# Allegro board A527_draft_V1_0.brd (continued)
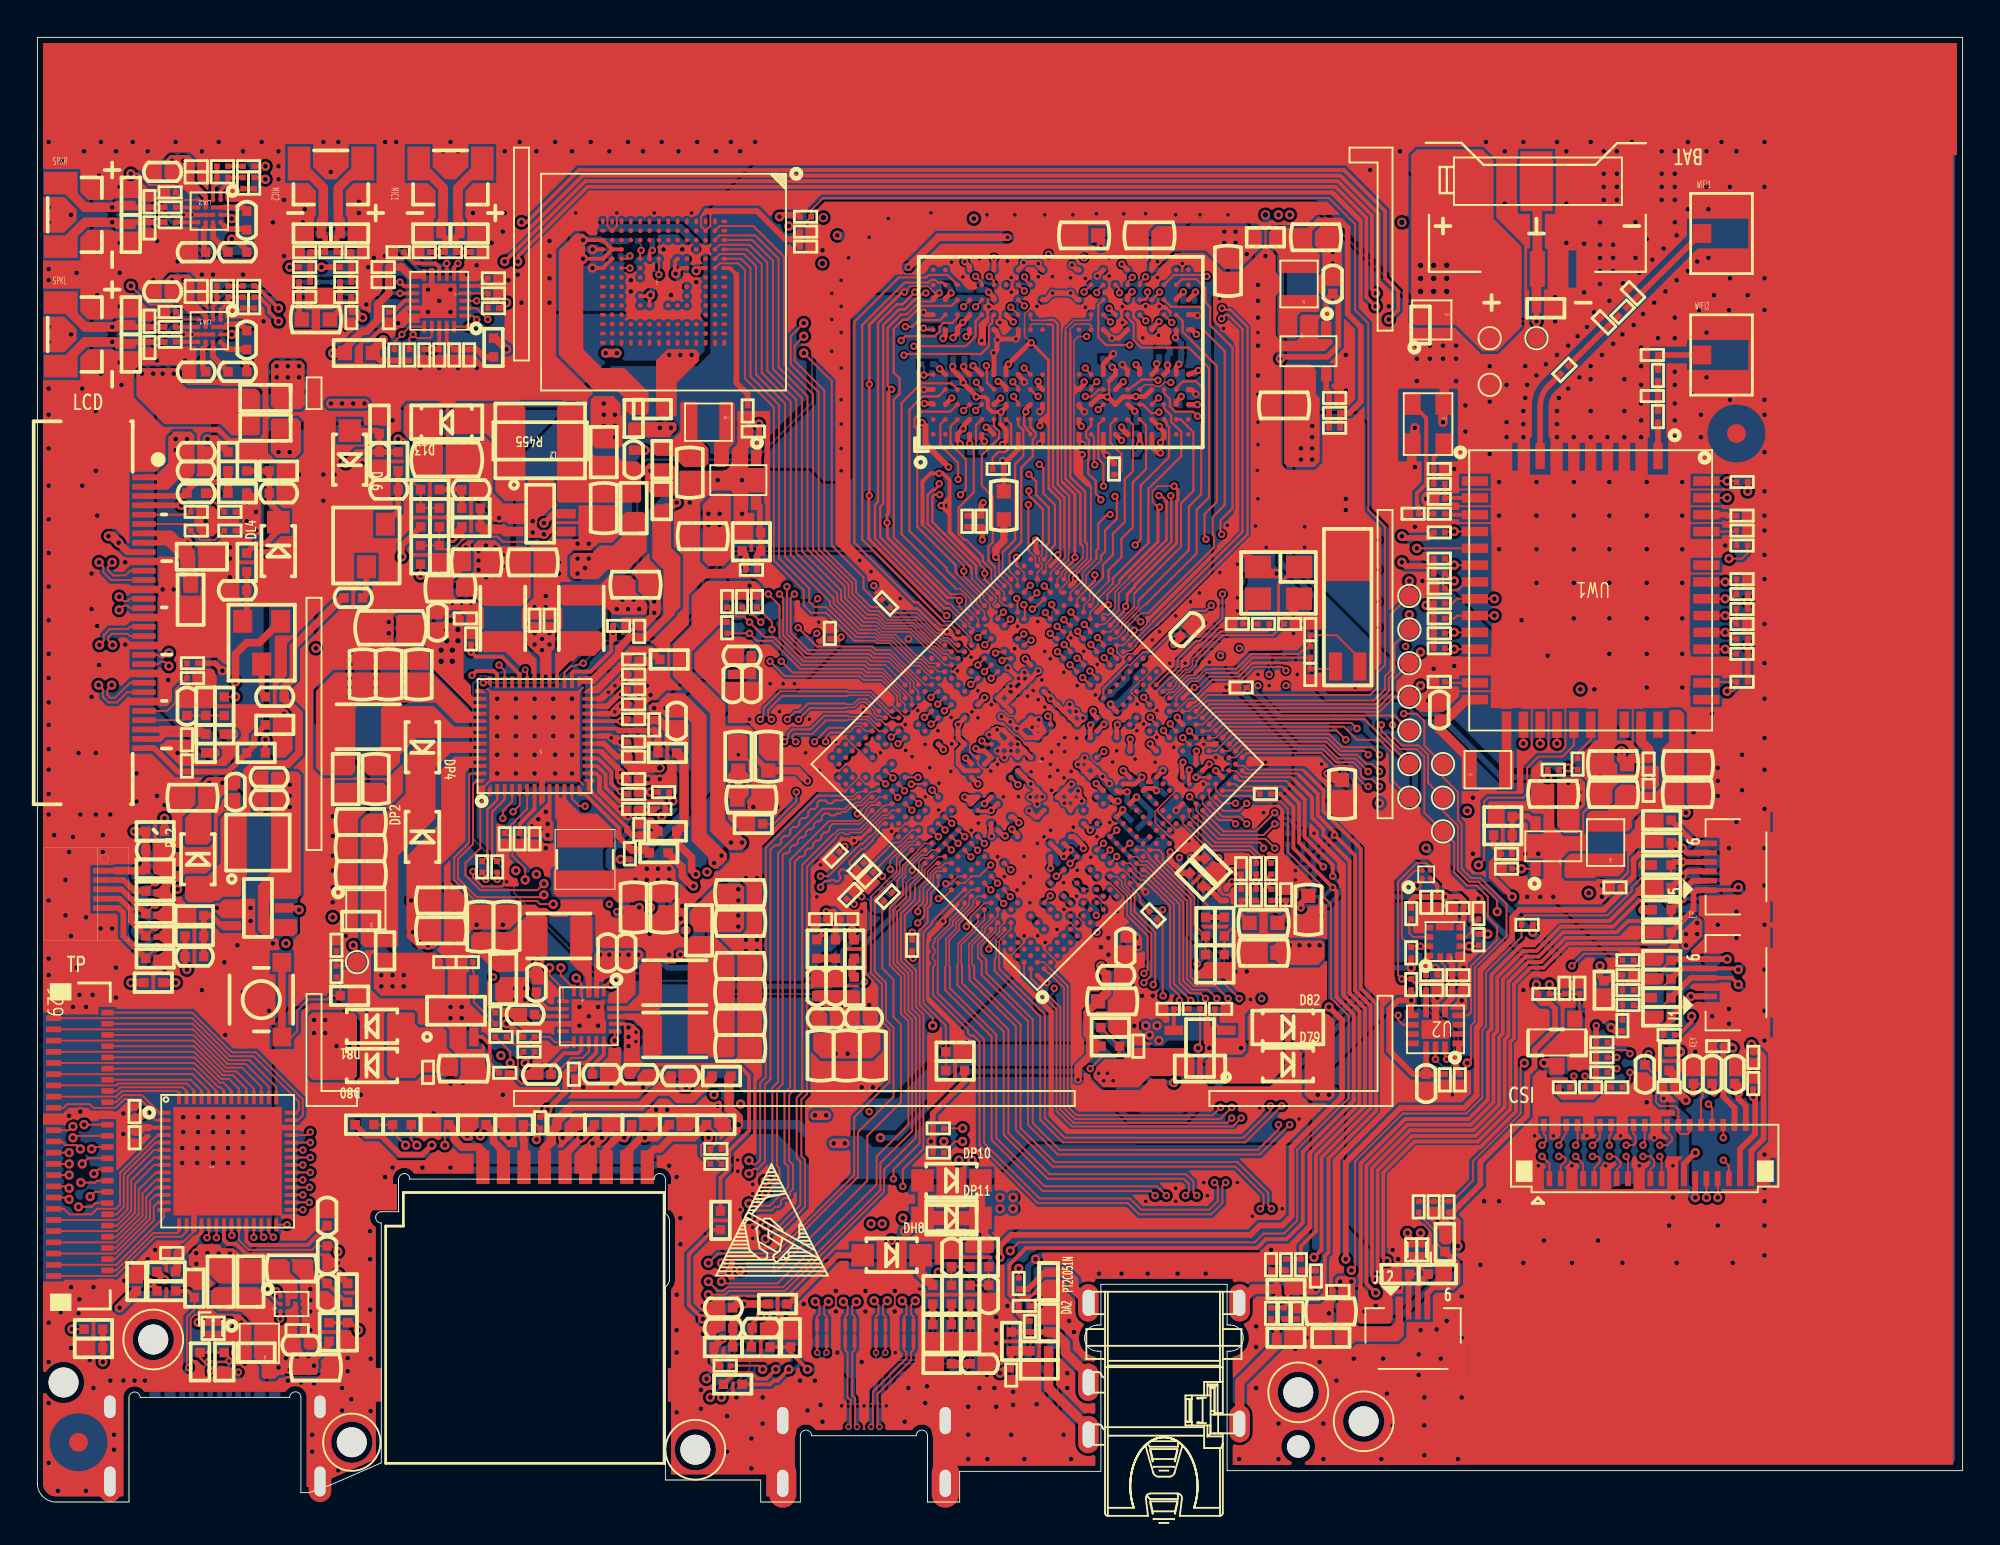
[diagram p0: board, top side]
## Routing (per net, layer and track width the routed paths; a pad name or vN(x,y) marks a point on that pad's centre or on a via; arc(x,y) is an arc through that point) (continued)
  TOP w0.381: CD1.2 51.7,51.45 51.28,51.03 v1(51.28,50.58)
  TOP w0.4: UL1.2 v2(11.4,31.8) ; v2(22.93,51.1) 22.78,50.95 22.78,50.33 CP3.2 ; DH3.1 40.3,9.7 v2(40.04,9.96) ; v2(2.8,7.6) 2.5,7.9 DU5.1 v2(1.8,8.25) ; DU15.1 74,62.1 v2(73.8,61.9) ; v2(11.1,7.4) 11.4,7.1 11.4,6.93 ; v2(34.2,4.8) 34.46,5.06 JC1.11 34.46,7.34 34.2,7.6 v2(34.2,8) ; v2(37.9,26.5) 37.9,26.85 CP141.2 38.35,26.65 v2(38.5,26.5) ; v2(38.5,29.5) 38.35,29.35 CP144.2 ; RP76.1 v2(17.1,8.1) ; v1(23.2,48.1) v1(22.7,48.1) v1(22.2,48.1) 21.9,48.1 CP22.2 ; v1(62.8,33.4) R46.2 ; v2(31.75,65.4) v2(31.75,64.8) ; v2(14.6,10.8) v2(14.6,11.4) 14.6,12.25 CP66.2 ; v2(14.6,10.8) 15.4,10.8 CL31.2 ; v2(14.6,10.8) v2(14.6,10.2) v2(14.6,9.2) CP65.2 ; CU6.1 69,10.2 v2(69.1,10.1) ; v2(26.5,52.5) 26.1,52.9 UL4.2 24.93,52.9 v2(24.7,52.67) ; DH4.1 v2(51.3,8.5) ; DL9.1 v2(7.3,29.8) ; CP148.2 23.7,31.1 v2(23.5,30.9) ; DU9.1 75.3,14.6 v2(74.9,15) 74.7,15.2 RU8.2 ; CC1.2 34.9,22.4 v2(34.7,22.2) ; CP140.2 37.9,25.25 v2(37.9,25) ; v2(16.5,30.3) 16.8,30.6 DU14.1 ; v2(21.5,49.7) 21.35,49.55 C38.2 ; KP4.4 v2(10,28.89) ; v2(75.08,7.68) J12.8 76,8.6 v2(76.2,8.8) ; CL30.2 17.71,15.8 JC1.12 ; v2(7.9,11.85) 8.3,11.85 DU6.1 ; CP5.2 31.9,30.95 ; 31.9,30.95 32.45,30.4 v2(32.75,30.4) ; 31.9,30.95 31.5,30.55 CP145.2 CP139.2 ; CH2.1 51.8,10.6 v2(51.9,10.5) ; v2(72,7.68) J12.7 v2(70.42,7.68) ; DH7.1 47.9,6.5 v2(47.6,6.2) ; v2(33.8,29.3) 33.5,29.6 33.5,29.8 ; v2(25.2,19.5) 25,19.7 DC6.1 ; C3.2 38.35,33.25 v2(38.5,33.4) ; v2(17.83,4.87) JC1.10 v2(17.83,7.67) ; v2(18.6,17.4) 18.23,17.03 JC1.12 ; CP135.2 26.1,25.6 v2(26.1,25.6) ; v2(48.6,8) 48.9,8.3 DH5.1 ; DL11.1 v2(7.5,33.9) ; C12.2 39.2,37.6 v2(39.6,37.2) ; v2(16.07,12.8) 15.6,12.8 CL27.2 ; JC1.6 29.33,18.83 v2(29.7,19.2) 30,19.5 v2(30.2,19.5) 30.8,20.1 DC3.1 ; v2(7.3,32.1) 6.8,32.6 DL7.1 ; v2(26.8,28.85) 26.8,28.85 26.7,28.75 CP138.2 ; v2(45.87,10.2) DH2.8 DH2.3 45.87,8.03 v1(45.9,8) ; v1(39.2,43.8) 38.7,43.3 C113.2 ; CH1.1 39.25,9.85 v2(39.4,10) ; DU12.1 68.8,8.9 v2(68.8,9.5) ; DC5.1 28.8,20.1 28.2,19.5 v2(28.1,19.5) ; DC1.1 34,21 v2(33.7,21) ; v1(80.3,18) 79.81,18 JV1.40 ; CL25.2 v2(7.5,34.9) ; v2(13.4,6.5) 13.1,6.2 10.5,6.2 10,6.7 DU3.1 ; v2(42.72,10.2) DH1.8 DH1.3 42.72,8.08 v2(42.8,8) ; C11.2 v1(37.5,40) ; v2(75,12.8) 75.4,12.4 DU10.1 ; DL8.1 v2(7.3,31) 7.7,31.4 RL23.1 ; v2(36.4,21.2) 36.4,20.6 DC4.1 ; v2(11.9,37.1) CL11.2 v2(11.9,38.2) CL10.2 ; CL5.1 10.3,37.2 v2(10.1,37.2) ; DP1.2 75.25,61.95 v2(75.2,61.9) ; DA11.1 23.8,67.9 v2(24.3,67.4) ; CP143.2 38.5,24.45 v2(38.5,25) ; CP147.2 25.1,31.1 v2(24.9,30.9) ; v2(6.8,37.3) 7.15,37.3 CL15.2 ; v2(15.8,33.8) 15.55,34.05 JZ1.1 ; v2(34.43,31.23) 34.25,31.05 33.53,31.05 CP6.2 ; v2(35.6,10.5) 35.7,10.4 C98.2 ; DC7.1 v2(23,19.6) ; JL4.7 v2(1.8,30.3) ; C95.2 35.9,9.3 v2(35.6,9) ; DU8.1 11.12,9.38 v2(10.9,9.6) ; DU13.1 v2(10.6,8) ; JL4.8 v2(1.7,34.8) ; v2(10.05,25) 10.16,24.89 KP4.3 ; v2(17.8,14.5) 17.55,14.75 17.55,15.65 18.22,16.32 JC1.12 ; v2(22,32.9) 22.35,32.55 CP4.1 22.35,31.55 v2(22.3,31.5) 22.3,30.65 CP9.1 22.35,29.95 v2(22.3,29.9) ; DL10.1 v2(6.8,28.5) ; v2(62.7,24.3) UU1.2 v2(64.4,24.3) ; v2(5.75,6.5) 5.85,6.4 8.1,6.4 DU2.1 ; DH6.1 v2(47.4,8) ; 15.8,32.7 16.48,32.7 DP6.1 ; DC2.1 32.8,20.7 v2(33.1,21) ; v2(21.2,20.8) 21,20.6 DC8.1 ; C7.2 38.35,30.25 v2(38.5,30.1) ; v1(64.47,50.9) 65.3,50.07 Y1.2
  TOP w0.5: CP50.2 83.55,38.75 v2(83.6,38.8) 83.55,38.85 CW18.2 ; CD28.2 v2(65.3,65.15) 65.7,65.55 v2(65.7,66.7) ; DA18.1 v2(85.9,30.5) ; v2(66.3,49.7) 65.65,49.7 Y1.2 ; JA14.4 81.5,64.8 v2(81.2,64.5) RP3.1 v2(81.2,63.2) ; v2(78.6,59.8) TP3.1 v2(77.7,58.9) ; v2(89.9,37.8) 89.8,37.9 89.2,37.9 ; v2(3.13,40.1) J11.32 v2(3.13,36.8) ; 22.3,28.2 22.3,26.9 v2(22.7,26.5) ; 18.1,46.6 18.2,46.5 v2(18.8,46.5) v2(18.8,47.1) 18.2,47.1 CP68.2 18.1,46.6 ; 18.1,46.6 v2(18.1,45.5) v2(18.1,44.9) ; v2(15.8,35.65) v2(15.8,36.7) 16.25,36.7 CP10.1 v2(15.8,35.65) ; v2(15.8,35.65) v2(15.8,34.6) ; v2(16.6,7.7) 16.15,7.7 CU3.2 15.85,7 v2(16.6,7) ; v2(86.9,71.1) 86.1,71.1 JA14.6 ; CL18.2 18,54.2 17.4,54.8 v2(17.4,55.6) 17.8,55.2 CL20.2 ; v2(23.5,60.7) 22.85,60.05 JZ4.5 ; v2(85.9,35.3) DA14.1 v2(86.4,35.8) R524.2 ; v2(15.8,33.8) 16.35,33.8 CP13.1 ; v2(15.8,33.8) v2(15.8,34.6) ; v2(15.8,33.8) v2(15.8,32.9) v2(15.8,32.1) ; D3.1 v2(85.9,28) ; CP12.1 16.2,35 v2(15.8,34.6) ; D2.1 84.2,26.9 v2(84.3,27) ; DA7.1 v2(4.4,70.4) ; 7.25,48.85 7.25,48.35 8.05,47.55 RL27.2 ; 7.25,48.85 v2(7.3,48.85) ; 7.25,48.85 v2(6.7,48.85) ; R10.2 R8.2 62.6,28.4 v2(63,28.4) 63.4,28.4 R10.2 ; R10.2 64,28.3 v2(64.1,28.4) ; R10.2 63.6,28.4 v2(64.1,28.4) ; v2(18.1,44.9) 17.55,44.9 CP18.1 17.2,44.85 v2(16.75,44.85) v2(16.75,45.45) ; v2(18.1,44.9) 18.65,44.9 CP19.1 19,44.85 v2(19.7,44.85) 20.2,44.85 CP16.1 20.05,45.4 v2(19.7,45.4) ; v2(88,45.4) 88,45.1 88.35,44.75 UW1.39 ; UW1.11 v2(78.6,57) ; v2(75.2,57.8) 75.2,58.73 YW1.2 75.28,59.98 ; v2(86.9,69.7) 86.7,69.7 JA14.6 ; 23,55.9 23.6,56.5 v2(23.6,56.7) ; 23,55.9 v2(23,56.7) ; 23,55.9 CL8.2 ; v2(4.65,11.85) 5.1,12.3 DU16.1 5.3,12.4 v2(5.9,13) ; CP62.1 v2(22.78,22.43) ; v2(91.3,23.5) 91.2,23.4 CV2.2 ; v2(22.7,26.5) v2(22.1,26.5) v2(22.1,25.9) 22.4,25.6 ; v2(22.7,26.5) v2(22.7,25.9) 22.4,25.6 ; 43.35,23.15 43.35,22.95 v2(44.1,22.2) ; 43.35,23.15 C25.2 v2(44.7,22.2) ; 43.35,23.15 C36.2 C32.2 ; CP53.2 34.9,51.75 v2(34.9,53.5) CP56.2 35.25,54.7 v2(36.4,54.7) v2(37.7,54.7) 37.7,55.9 ; v2(88.7,24.1) 88.6,24 CV8.2 88.8,23.4 v2(89.1,23.7) 89.4,23.4 CV9.2 ; RL26.1 v2(21.5,49.7) v2(22.15,49.7) CP3.2 ; JW2.2 v2(90.55,59) ; Y2.3 70.1,53 v2(70,53.1) v2(70,53.7) ; v2(55.2,9.7) 54.8,10.1 DA5.1 54.1,10.6 v2(54.2,10.7) 54.1,10.8 DA2.1 ; v2(10.3,49.5) 10.2,49.4 CL16.2 ; DA17.1 v2(85.9,34.1) ; v2(79.7,32.4) v2(80.4,32.4) v2(81.1,32.4) UP5.2 81.1,34.3 ; v2(70,59.5) v2(70,61.4) ; v2(73.8,61.2) 73.55,61.45 JZ3.1 ; v2(33,47.6) v2(33,48.2) 33,48.85 CP15.2 ; C115.2 C113.2 ; v2(92.4,70.4) 92.4,68.25 JW1.4 92.4,67.55 v2(92.4,65.5) v2(92.4,63.8) 92.4,61.75 JW2.4 92.4,61.05 v2(92.4,59) ; CA16.2 5.9,71.5 v2(5.9,72.3) ; v2(3.13,58.4) J11.31 v2(3.13,55.2) ; DA15.1 v2(85.9,31.7) ; v2(85.9,29.4) 86,29.4 D5.1 ; CW18.2 83.55,39.85 v2(83.2,40.2) ; CW18.2 84,39.95 UW1.32 84,42.8 v2(83.3,43.5) ; v2(85.9,32.7) 86.1,32.9 DA16.1 ; C105.2 58.8,26.8 v2(59.1,27.1) ; v2(44.5,26.6) 44.7,26.4 C108.2 ; RL32.1 18.7,58.2 v2(19,57.9) ; UW1.4 v2(84.9,57) ; v2(15.3,55) 14.3,54 CL17.2 ; v2(79.5,27.4) 79.5,26.7 QV1.2 ; CA1.2 68.25,30.95 v2(68.7,31.4) ; 9.7,50.6 9.8,50.6 v2(10.3,51.1) ; 9.7,50.6 RL39.2 ; 9.7,50.6 9.9,50.4 10.2,50.4 v2(10.3,50.5) ; UW1.46 90.15,51.05 v2(90.3,51.2) ; v2(67.2,47.5) 67.2,48.05 Y1.4 ; CD19.2 58.75,68.32 v1(58.12,68.95) ; v2(15.9,55) 16.65,54.25 DL6.2 ; CH3.1 48.9,13.9 49.3,14.3 v2(49.5,14.3) ; JW1.3 v2(90.55,70.4) ; UW1.6 v2(83.1,57) ; JZ6.1 24.7,21.6 v2(24.9,21.8) ; v2(89.3,38.6) 89.05,38.35 CW21.2 89.2,37.9 ; D4.1 v2(85.9,27) ; DA10.1 20.6,67.8 20.2,67.4 v2(20.1,67.4) ; UW1.3 v2(85.8,57) ; 80.35,37.75 80.1,37.5 v2(80.1,37.2) ; 80.35,37.75 80.35,37.55 v2(80.7,37.2) ; 80.35,37.75 CP49.2 ; JA14.6 84.7,69.7 v2(84.5,69.7) ; JA14.6 85.3,71.1 v2(84.5,71.1) ; UW1.23 v2(75.8,44.75) ; v2(14,55) 13.8,55.2 RL24.1 ; C651.1 v2(9,55.7) CL9.2 ; UW1.5 v2(84,57) ; CL7.2 v2(32.5,56.3) ; CD36.2 v2(69.3,66.3) v2(69.3,66.9) 69.3,67.55 CD35.2 ; v2(34,40.8) 34.2,41 C112.2 ; v2(65.3,61.9) 67.6,61.9 68,62.3 UD2.2 ; v2(29.5,51.3) v2(28.9,51.3) ; v2(29.5,51.3) 29.5,52 29.95,52.45 CL6.2 30.3,52.1 v2(29.5,51.3) ; DA8.1 v2(4.4,61) ; v2(8.5,43.6) 8.6,43.6 9,43.2 RL10.1 8.6,43.1 v2(8.5,43) 8.4,43.1 CL28.2 ; v2(73.7,57.5) 73.7,56.77 YW1.4 73.53,55.58 v2(73.7,55.4) ; v2(64.1,28.4) v2(64.7,28.4) 64.85,28.55 C43.2 ; 89.2,37.9 v2(89.9,38.6) ; C12.2 38.55,37.2 v2(38.3,37.2) ; v2(67.3,8.2) DA3.1 v2(67.9,8.8) ; DL4.1 12.89,49.91 v2(12.2,50.6) ; UW1.8 v2(81.3,57) ; C107.2 57.4,29.2 v2(57.3,29.3) v2(56.9,29.7) ; CL8.2 22.4,56.3 v2(22.4,56.7) ; CL8.2 23.7,55 CL19.2 ; DA1.1 v2(67.8,11.4) ; DA6.1 v2(4.4,67.4) ; UW1.1 v2(87.6,57) ; JW2.3 90.55,63.75 v2(90.5,63.8) ; v2(7.9,61.1) 8,61 CA19.1 ; CL3.2 v2(9.5,54) ; JL5.8 v2(90.9,36.4) ; v2(82.75,64.75) JA14.5 v2(82.75,67.35) ; CH4.1 50.9,6.9 v2(50.8,6.8) ; 22.4,25.6 UP3.2 ; DL5.2 16.58,52.42 15.4,53.6 v2(15.3,53.6) ; DA12.1 v2(14.2,68.5) ; D6.1 v2(85.9,26) ; v2(86.1,21.4) 86,21.5 CV5.2 ; CA12.2 v2(6.2,65.4) ; DA9.1 v2(4.4,64) ; JL5.7 v2(90.9,31.6) ; RP44.1 v2(77.9,37.2) ; UW1.7 v2(82.2,57) ; C69.2 v2(70.5,37.15) 71.4,36.25 JZ7.1 ; RL8.1 v2(13.2,42.2) ; UW1.10 v2(79.5,57) ; CW20.2 89.7,39.5 v2(89.9,39.3) ; CA20.1 v2(7.5,66.4) ; v2(90.55,65.5) JW1.2 ; RP51.1 v2(37.7,52.9) ; C109.2 42,28.1 v2(42.2,28.3) 42.4,28.1 C110.2 ; J1.8 v2(90.9,30.2) ; CW16.1 v2(74.4,42.9) ; C111.2 v2(41.7,26.4) ; v2(26.6,47.9) v2(27.2,47.9) v2(27.2,48.5) v2(26.6,47.9) ; v2(27.9,49.7) 27.85,49.7 CP8.2 v2(27.9,50.3) v2(27.9,49.7)
  TOP w0.8: JZ4.1 JZ4.2 JZ4.3 JZ4.4 JZ4.5 ; JZ5.1 JZ5.2 JZ5.3 JZ5.4 JZ5.5 ; JZ3.1 JZ3.2 JZ3.3 JZ3.4 JZ3.5 ; v2(71.3,71.3) 70.5,72.1 JZ2.1 JZ2.2 JZ2.3 JZ2.4 JZ2.5 ; JZ7.5 JZ7.4 JZ7.3 JZ7.2 JZ7.1 ; JZ6.1 JZ6.2 JZ6.3 JZ6.4 JZ6.5 ; JZ1.5 JZ1.4 JZ1.3 JZ1.2 JZ1.1
  ART03 w0.1: v2(44.7,22.2) 58.63,22.2 60.7,24.27 60.7,24.4 61.85,25.55 66.13,25.55 66.28,25.7 73,25.7 73.55,26.25 80.95,26.25 82.1,27.4 v1(82.1,28) 81.7,28.4 81.7,33.65 83.8,35.75 83.8,38.6 v2(83.6,38.8) 83.4,39 83.4,40 v2(83.2,40.2) 83.2,41.65 81.95,42.9 81.95,43.75 82.2,44 82.8,44 v2(83.3,43.5) 83.3,43.03 83.85,42.48 83.85,39.68 84.2,39.33 84.2,35.57 82.1,33.47 82.1,29.37 82.75,28.72 82.75,27.43 81.17,25.85 73.73,25.85 73.18,25.3 66.48,25.3 66.33,25.15 62.02,25.15 61.1,24.23 61.1,24.08 58.82,21.8 46.18,21.8 45.88,21.5 43.42,21.5 43.12,21.8 39.72,21.8 38.97,22.55 26.43,22.55 25.7,23.28 25.7,23.7 25.9,23.9 26.5,23.9 v2(27,23.4) 27.45,22.95 39.13,22.95 39.88,22.2 v2(44.1,22.2) ; 70.5,37.1 v2(70.5,37.15) 70.4,37.05 70.4,35.1 ; 70.4,35.1 70.4,33.1 v2(68.7,31.4) 68.7,33.4 70.4,35.1 ; v2(76.8,37.7) 76.4,37.7 73.8,35.1 v2(73.8,33) ; v2(73.7,52.2) 72.8,52.2 72.4,51.8 72.4,43 71.2,41.8 70.4,41.8 69.6,41 69.6,39.9 69.8,39.7 ; v1(41.1,40.1) 42.1,40.1 v1(42.7,40.7)
  ART03 w0.152: v1(56.7,44.83) 56.83,44.7 57.2,44.7 58.07,45.57 59.57,45.57 60.4,46.4
  ART03 w0.2: v2(72.3,64) 71.7,63.4 71.7,62.9 72.3,62.3 72.3,52.52 71.7,51.92 v1(71.7,51.5) v1(71.7,49.9) v1(71.7,48.2) v1(71.7,46.8) 71.7,43.2 70.9,42.4 70.2,42.4 68.7,40.9 v1(68.7,39.5) ; 69.8,61.6 v2(70,61.4) ; 69.8,61.6 69.8,64.97 70.4,65.57 70.4,69.25 68.35,71.3 38.15,71.3 37.85,71 20.85,71 15.45,65.6 13.27,65.6 12.3,66.57 12.3,70.2 v2(12.9,70.8) ; 69.8,61.6 69.8,59.7 v2(70,59.5) 70.5,59 70.5,54.2 ; v1(67.3,33.3) 67.2,33.3 CA8.2 66.9,34.6 68.1,35.8 v1(68.3,35.8) 67.7,36.4 67.7,41.25 69.75,43.3 70.2,43.3 v1(70.5,43.6) 70.7,43.8 70.7,52.2 71.4,52.9 71.4,61.93 70.7,62.63 70.7,64.6 71.3,65.2 71.3,69.62 68.62,72.3 v2(37.6,72.3) v2(36.3,72.3) v2(34.3,72.3) v2(32.4,72.3) v2(30.6,72.3) v2(28.6,72.3) v2(26.7,72.3) v2(25,72.3) v2(22.5,72.3) v2(21.7,72.3) 20.88,72.3 15.48,66.9 13.4,66.9 v2(13.2,66.7) ; 70.35,54.05 70.35,53.45 v2(70,53.1) 69.8,52.9 69.8,52.6 ; 70.35,54.05 v2(70,53.7) ; 70.35,54.05 70.5,54.2 ; 67.3,45 65.5,45 64.8,44.3 64.8,43.8 ; 67.3,45 68.3,45 68.5,44.8 ; 67.3,45 68.9,46.6 ; 70.5,54.2 70.5,53.3 69.8,52.6 ; 17.23,66.1 15.83,64.7 ; 17.23,66.1 v2(17.7,66.1) 17.7,66.57 ; 17.23,66.1 17.7,66.57 ; 15.83,64.7 15.23,64.1 v2(14.9,64.1) 14.3,64.7 ; 15.83,64.7 14.3,64.7 ; 69.8,52.6 69.8,44.75 66.8,41.75 66.8,38.1 v1(65.6,36.9) ; 68.5,44.8 65.7,42 65.7,39.82 ; 68.5,44.8 68.9,45.2 68.9,46.6 ; v1(67.2,46.5) 66.6,45.9 65.13,45.9 63.9,44.67 63.9,39.3 62.7,38.1 62.7,36.7 63.6,35.8 64.9,35.8 65.6,36.5 v1(65.6,36.9) ; v1(67.2,46.5) v2(67.7,47) ; v1(67.2,46.5) v2(67.2,47.5) 67.8,48.1 v1(67.8,51.1) v1(67.8,52.2) 68,52.4 68,54.62 68.7,55.32 68.7,57.88 68,58.58 68,69 67.5,69.5 38.9,69.5 38.4,69 v1(35,69) v1(33,69) v1(31,69) v1(28.8,69) v2(25,69) v2(23.3,69) 21.4,69 20.2,67.8 20.2,67.5 v2(20.1,67.4) 20.2,67.3 20.2,66.7 v2(17.6,64.1) 16.5,64.1 15.3,62.9 13.3,62.9 13.1,62.7 12.6,62.7 v2(12.1,63.2) ; v1(65.6,36.9) 64.7,36.9 64.6,37 63.8,37 63.62,37.18 63.62,37.72 65.5,39.6 v1(65.7,39.6) 65.7,39.82 ; 17.7,66.57 21.23,70.1 38.23,70.1 38.53,70.4 67.87,70.4 68.9,69.37 68.9,58.95 69.6,58.25 69.6,54.95 68.9,54.25 68.9,46.6 ; 64.8,43.8 v1(65.3,44.3) ; 64.8,43.8 64.8,40.72 65.7,39.82 ; 14.3,64.7 12.9,64.7 11.4,66.2 11.4,71.4 12,72 12.4,72 v2(12.9,71.5)
  ART03 w0.203: v1(46.16,48.36) 46.24,48.36 47.99,46.6 48.57,46.6 ; v1(49.95,45.22) 49.16,46.01 48.57,46.6 ; v1(48.66,46.59) 48.65,46.6 48.57,46.6
  ART03 w0.254: v1(60.9,47.43) 61.06,47.59 61.31,47.59 ; v1(60.9,47.43) 60.9,47.29 59.83,46.22 ; v1(60.9,47.43) 61.03,47.3 ; v1(65.17,52.24) 65.17,51.44 64.47,50.74 v1(64.47,50.9) 64.18,50.6 64.18,50.45 63.4,49.67 63.35,49.67 63.24,49.77 63.14,49.67 63.14,49.41 ; v1(59.65,46.14) 59.72,46.22 59.83,46.22 ; v1(60.03,46.59) 59.83,46.22 ; 61.31,47.59 61.03,47.3 ; 61.31,47.59 61.7,47.97 v1(61.7,48.19) 61.92,48.19 62.39,48.66 ; 61.03,47.3 60.4,46.67 60.4,46.4 ; 63.14,49.41 62.39,48.66 ; 63.14,49.41 63.27,49.54 v1(63.27,49.75) ; 62.39,48.66 v1(62.17,48.66) 62.17,48.39
  ART03 w0.3: v2(44.7,22.2) v2(44.1,22.2)
  ART03 w0.5: v2(70,53.7) v2(70,53.1) ; v2(70,61.4) v2(70,59.5)
  ART04 w0.1: 27.7,52.55 27.45,52.8 26.8,52.8 v2(26.5,52.5) ; v2(32.75,30.4) 32.75,29.34 34.1,28 34.1,27.9 ; 87.2,23.6 88.6,23.6 88.9,23.9 v2(89.1,23.7) ; 87.2,23.6 85.9,24.9 65.79,24.9 64.19,26.5 60.93,26.5 60.73,26.7 58.2,26.7 56.33,28.57 56.33,29.25 56.78,29.7 v2(56.9,29.7) ; 87.2,23.6 87.1,23.5 86.2,23.5 85.7,24 85.7,24.2 85.4,24.5 65.6,24.5 64,26.1 60.77,26.1 60.57,26.3 58,26.3 55.9,28.4 55.9,32.1 55.6,32.4 v1(55.6,32.43) ; v2(45.87,10.2) v2(45.87,11.3) ; 40.3,17.3 39.99,17.61 39.19,17.61 ; 61.6,43.3 v1(61.9,43.6) ; 61.6,43.3 59.95,43.3 59.18,42.53 v1(59.18,41.65) ; 61.6,43.3 63.92,43.3 ; 41.3,42.4 v1(41.3,41.9) 41.8,41.9 ; 41.3,42.4 v1(39.9,43.8) v1(39.2,43.8) 38.3,43.8 36.9,45.2 36.9,50 34.6,52.3 33.7,52.3 29.7,56.3 24,56.3 ; 41.3,42.4 41.8,41.9 ; 41.8,41.9 43.7,41.9 v1(44.2,42.4) ; 63.92,43.3 65.75,43.3 65.9,43.45 v1(65.9,43.7) v1(65.3,44.3) 66.4,45.4 72.38,45.4 73.18,44.6 v2(74.7,44.6) 75.3,44 82.8,44 v2(83.3,43.5) 82.8,43 82.1,43 81.8,43.3 75.05,43.3 74.15,44.2 73,44.2 72.2,45 66.6,45 66.45,44.85 66.45,43.35 66,42.9 60.44,42.9 v1(59.9,42.37) ; 63.92,43.3 v1(63.6,43.62) ; 22,56.3 24,56.3 ; 22,56.3 18.2,56.3 10.75,48.85 v2(7.3,48.85) v2(6.7,48.85) ; 22,56.3 v2(22.4,56.7) ; 24,56.3 v2(23.6,56.7) ; v2(38.3,37.2) v2(39.6,37.2) 40,37.2 41.8,35.4 41.8,34.2 v1(41.9,34.1) 42.3,33.7 42.3,32.7 42,32.4 v1(41.7,32.4) ; 39.19,17.61 39.5,17.3 ; 39.19,17.61 38.7,17.61 38.5,17.41 38.5,17.24 v1(38.27,17.01) ; v2(33.1,21) 33.58,21 36.3,18.28 36.3,14.4 38,12.7 38,12.15 37.85,12 37.3,12 v2(37,12.3) 37,13 35.9,14.1 35.9,18.1 33.8,20.2 30.7,20.2 v2(29.7,19.2) ; v1(60.9,16.1) 60.05,15.25 51.25,15.25 50.7,15.8 50.7,16 ; v1(80.1,19.6) 66.2,19.6 65.4,20.4 v1(65.4,21.1) 65.4,21.2 65.8,21.6 68,21.6 68.2,21.4 v2(86.1,21.4) 86.4,21.4 87.9,19.9 87.9,18.4 v1(87.5,18)
  ART04 w0.127: v1(56.7,44.83) 56.74,44.79 57.19,44.79 58.13,45.73 59.09,45.73 59.2,45.84
  ART04 w0.2: v2(10.6,8) 10.7,8 11.9,9.2 11.9,11.7 12.4,12.2 13.5,12.2 16.8,15.5 16.8,17.4 24.5,25.1 24.5,27.11 23.97,27.63 23.97,29.87 24.9,30.8 v2(24.9,30.9) 24.9,33 v1(25.1,33.2) ; v2(10.9,9.6) 11,9.7 11,11.97 12.13,13.1 13.1,13.1 15.7,15.7 15.7,17.6 23.6,25.5 23.6,26.83 23.18,27.25 23.18,30.58 v2(23.5,30.9) 23.5,32.9 23.3,33.1 v1(23.3,33.75)
  ART04 w0.254: v1(44,50.4) 43.99,50.4 43.75,50.65 ; v1(44,50.4) v1(44.6,49.8) ; v1(44,50.4) 44.12,50.4 v1(46.16,48.36) 47.31,47.21 47.37,47.21 49.35,45.22 v1(49.95,45.22) ; v1(44,50.4) 43.75,50.65 43.75,50.65 ; 43.75,50.65 43,51.39 v1(43,55.2) v1(43,56.4) v1(43,57.7) v1(43,59) v1(43,60.7) v1(43,62.6) v1(43,64) v1(43,65.4)
  ART04 w0.5: v2(23.6,56.7) v2(23,56.7) v2(22.4,56.7)
  ART05 w0.1: v1(55.9,56.07) 56.45,55.52 v1(56.57,55.52)
  BOTTOM w0.1: 43.63,5.38 CON2.7 ; 43.63,5.38 43.75,5.25 ; 43.63,5.38 43.63,5.33 43.7,5.25 ; 43.63,5.38 43.5,5.25 ; 44.68,5.33 44.98,5.33 ; 44.68,5.33 44.6,5.25 ; 44.68,5.33 44.75,5.25 ; 44.68,5.33 44.83,5.47 ; 44.98,5.33 44.83,5.47 ; 44.98,5.33 45.05,5.25 ; CON2.4 43.03,4.12 42.9,4 42.3,4 v2(42,4.3) ; 45.33,5.25 46.35,5.25 46.6,5.5 v2(46.6,6.1) ; 45.33,5.25 v3(45.43,5.15) ; 45.33,5.25 45.05,5.25 ; 44.75,5.25 44.6,5.25 ; 44.75,5.25 44.8,5.25 ; 44.6,5.25 44.33,5.25 ; 45.05,5.25 44.8,5.25 ; 44.8,5.25 44.83,5.28 44.83,5.47 ; 43.75,5.25 44.13,5.25 ; 43.75,5.25 43.7,5.25 ; 44.13,5.25 44.33,5.25 ; 44.13,5.25 v3(44.23,5.15) 44.33,5.25 ; 45.43,4.62 45.43,4.08 45.5,4 46.1,4 v2(46.4,4.3) ; 44.83,5.47 CON2.13 ; C2.2 59.52,46.14 v1(59.65,46.14) 60.03,46.53 v1(60.03,46.59) ; v2(41.2,4.9) 41.55,5.25 43.13,5.25 ; 43.13,5.25 43.5,5.25 ; 43.13,5.25 v3(43.03,5.15) ; 43.5,5.25 43.7,5.25
  BOTTOM w0.2: v1(50.34,36.34) 50.38,36.3 50.92,36.3 C102.2 ; C5.2 47,41.72 47,42.27 v1(47.1,42.37) ; CON2.7 43.63,7.03 v2(44.1,7.5) ; CON2.13 44.83,6.83 45.9,7.9 v1(45.9,8) ; v3(45.43,5.15) 45.43,4.62 ; CON2.10 v3(44.23,5.15) ; v3(43.03,5.15) CON2.4
  BOTTOM w0.25: v1(50.34,36.34) 50.3,36.3 C73.2 49.8,36.13 v1(49.96,35.96)
  BOTTOM w0.254: v1(46.16,48.36) 46.16,48.64 44.4,50.4
  BOTTOM w0.3: v1(50.9,29.6) 50.9,29.68 C82.2 ; v1(51.68,37.75) 51.69,37.76 v1(52.48,37.76) ; v1(51.68,37.75) 51.61,37.82 C10.2 ; v1(51.68,37.75) 51.82,37.61 C28.2 ; v1(51.68,37.75) 51.59,37.65 ; v2(16.3,6.1) 15.8,6.6 13.5,6.6 v2(13.4,6.5) 13.2,6.5 JU3.A1 JU3.B12 ; v1(52.44,46.88) 52.44,46.84 CD14.2 ; R12.2 60.89,36.11 v1(61.6,35.4) ; v1(49.54,59.92) 49.52,59.9 CD3.2 ; v1(61.4,44.9) v1(60.58,44.9) 60.07,44.39 C22.2 C21.2 ; v1(56.68,35.61) 56.55,35.48 C40.2 ; C57.2 55.63,33.74 v1(55.63,33.82) ; C94.2 52.3,5.1 v2(52.2,5.2) ; v2(3.9,6.5) v2(4.6,6.5) 4.65,6.55 5.15,6.55 v2(5.2,6.5) 5.25,6.55 5.7,6.55 v2(5.75,6.5) 6,6.5 6.15,6.35 JU3.B1 JU3.A12 ; C26.2 v1(53.51,30.31) ; CD15.2 53.2,43.5 v1(53.27,43.43) ; CD4.2 61.94,60.4 v1(62.11,60.57) ; 14.8,68.5 14.3,69 v2(14.3,69.2) ; 14.8,68.5 v2(14.2,68.5) ; 14.8,68.5 RA32.2 ; v2(17.7,66.1) 17.5,65.9 RA36.2 CA62.1 ; 55.3,67.7 55.3,68.8 v1(55.4,68.9) ; 55.3,67.7 CD27.2 ; 55.3,67.7 54.1,68.9 v1(53.9,68.9) ; C20.2 58.81,42.71 v1(58.83,42.71) ; v2(57.3,30.2) C58.2 C78.2 ; C83.2 C33.2 49.7,30.88 v1(49.7,30.8) ; CD16.2 52.61,43.5 v1(52.98,43.14) 52.79,42.95 C14.2 ; v1(54.96,40.92) 55.09,41.05 CD30.2 55.06,41.49 CD29.2 ; v1(54.17,38.83) 54.27,38.83 C41.2 ; C27.2 54.01,31.19 v1(54.55,30.65) ; v1(49.51,65.58) 49.51,65.19 CD25.2 ; C79.2 v1(57.78,31.6) ; v1(54.92,38.76) 54.64,38.76 C41.2 ; v2(16.45,62.75) 15.8,63.4 CA68.2 ; C54.2 56.89,33.99 v1(56.36,34.52) ; CM6.2 33.7,64.8 v2(33.9,64.6) ; v1(54.26,40.14) 54.11,40.29 C17.2 ; v1(62.06,58.75) 62.01,58.7 CD23.2 ; v1(58.69,46.66) 58.61,46.66 CD32.2 ; CD5.2 50.6,62.25 v1(50.53,62.18) ; CD9.2 49,60.81 v1(48.96,60.78) ; CA55.1 16.7,68.5 v2(17.2,69) ; v2(31.75,65.4) 31.75,65.3 31.85,65.2 CM1.2 RM10.2 ; v1(60.8,40.4) 60.81,40.39 C62.2 ; v1(60.46,60.85) 60.46,61.36 CD24.2 60.6,61.7 60.4,61.9 CD20.2 60,62.43 v1(59.98,62.45) ; v1(50.67,56.78) 50.5,56.61 CD10.2 ; C16.2 54.61,40.58 v1(54.64,40.56) ; v1(54.3,65.6) 54.5,65.4 CD2.2 55.15,65.4 v1(55.28,65.53) ; CD26.2 51.55,57.87 v1(51.55,58.34) ; v1(57.51,60.75) 57.06,61.2 CD7.2 ; v1(67.2,46.5) 67.1,46.4 C24.2 ; R2.2 v1(62.7,44.96) ; CD31.2 56.41,43.01 v1(56.6,43.2) 56.58,43.2 C1.2 C2.2 ; C41.2 54.49,39.06 v1(54.59,39.17) 54.91,39.49 C46.2 55.09,39.33 v1(55.31,39.11) 55.41,39 55.58,39 C44.2 56.2,38.38 56.2,38.1 C37.2 56.78,38 C45.2 ; v1(61.96,64.77) 61.9,64.71 CD21.2 ; v1(55.6,32.43) 55.87,32.43 C80.2 ; v1(63.05,39.85) 63.05,39.87 C71.2 ; C42.2 57.14,36.6 v1(57.37,36.37) ; v1(48.66,46.59) 48.51,46.59 44.7,50.4 v1(44,50.4) ; 67.6,33.6 v1(67.3,33.3) 67,33.6 ; 67.6,33.6 67.5,33.6 v1(67.3,33.8) 67.1,33.6 67,33.6 ; 67.6,33.6 CA7.2 ; C47.2 55.6,40.92 v1(55.6,40.89) ; RA35.1 v2(13.2,66.7) ; CD11.2 58.98,57.02 v1(58.98,56.61) 58.98,56.28 CD6.2 ; CM2.2 v2(27.4,66.7) ; 51.59,37.65 51.52,37.59 C6.2 ; 51.59,37.65 C29.2 ; C52.2 54.75,31.72 v1(54.92,31.72) ; v1(62.38,38.43) 62.45,38.43 C70.2 ; v2(57.3,29.3) 57.4,29.3 57.5,29.4 C81.2 ; v1(48.18,41.29) 47.9,41.01 C50.2 ; v2(17.6,64.1) RA39.1 CA68.2 ; 67,33.6 CA8.2 ; v1(53.9,42.55) 53.86,42.51 C13.2 53.41,42.82 v1(53.54,42.95) ; v1(45.63,33.87) 45.65,33.87 R13.1 46.49,33.51 v1(46.8,33.82) 46.8,34.18 C9.2 ; C84.2 48.88,33.1 v1(48.6,33.1) 48.6,32.82 C85.2 ; v1(53.16,39.09) 53.18,39.1 C39.2 54.09,39.49 v1(54.2,39.49) ; v1(53.16,39.09) 53.16,39.54 C4.2 ; v1(53.16,39.09) 53.16,39.09 C8.2 ; v2(18,66.6) 17.9,66.7 CA61.2 ; C15.2 v1(46.6,46.2) ; CD22.2 48.9,65.9 v1(48.9,66.37) ; v1(59.29,32.65) 60.5,33.87 C61.2 ; CA68.2 v2(14.9,64.1) ; C103.2 60.1,42.72 60.1,42.6 59.9,42.4 v1(59.9,42.37) ; v1(39.2,43.8) 39.1,43.7 C19.2 C51.2 ; CM8.2 v2(27.4,67.5) ; CD13.2 53.74,43.84 v1(53.74,44.01) ; RM6.1 v2(33.5,67.05) ; CD8.2 60.95,66.6 v1(61.25,66.3) ; v1(65.3,44.3) C59.2 ; C18.2 53.61,39.93 v1(53.76,39.78) ; C60.2 v1(67.4,44.3)
  BOTTOM w0.4: U3.3 v2(53.46,5.24) ; U6.6 v2(40.04,9.96)
  BOTTOM w0.5: v1(44,50.4) 42,50.4 TP28.1 40.9,49.7 39.5,49.7 TP29.1 ; TP17.1 v2(89.6,26) ; v2(26.6,47.9) v2(27.2,47.9) v2(27.2,48.5) v2(26.6,47.9)
  vias: v1(42.5,64.7) v1(42.5,63.3) v1(42.5,61.6) v1(43.4,66.6) v1(44.5,67.7) v1(45.52,68.7) v1(47.2,11.4) v1(47.81,69) v1(50.8,68.9) v1(52.3,68.9) v1(56.66,68.96) v1(59.29,68.97) v1(60.9,68.9) v1(62.2,68.9) v1(63.7,68.9) v1(64.2,50.2) v1(64.2,48.4) v1(65.3,62.6) v1(65.3,56.6) v1(65.26,55.22) v1(65.3,53.7) v1(65.74,51.1) v2(0.6,72.8) v2(0.6,69.3) v2(0.6,68.5) v2(0.6,66) v2(0.6,65.4) v2(0.6,62.9) v2(0.6,62.1) v2(0.6,59.6) v2(0.6,58.2) v2(0.6,56.4) v2(0.6,54.4) v2(0.6,52.6) v2(0.6,50.8) v2(0.6,49) v2(0.6,47.2) v2(0.6,45.4) v2(0.6,44.1) v2(0.6,42.8) v2(0.6,41.6) v2(0.6,40.3) v2(0.6,39.2) v2(0.6,37.9) v2(0.6,36.8) v2(0.6,32.2) v2(0.6,29.09) v2(0.6,28.2) v2(0.6,9.6) v2(0.6,7.5) v2(0.6,5.3) v2(0.6,2.1) v2(0.9,35.7) v2(1.1,0.6) v2(1.3,71.8) v2(1.5,33.3) v2(1.5,31.4) v2(1.8,68.9) v2(1.8,62.5) v2(1.9,35.6) v2(2.1,65.8) v2(2.1,28.6) v2(2.2,40.1) v2(2.2,10.1) v2(2.3,36.8) v2(2.4,59.6) v2(2.4,54.4) v2(2.5,72.3) v2(2.6,26.5) v2(2.6,0.6) v2(2.9,49.7) v2(2.9,47.8) v2(2.95,27.15) v2(3,6.1) v2(3.2,66.9) v2(3.2,64.6) v2(3.2,52.8) v2(3.3,71) v2(3.4,72.8) v2(3.4,60.4) v2(3.5,35.7) v2(3.5,34.8) v2(3.9,36.8) v2(4,30.7) v2(4.1,3.6) v2(4.1,2.8) v2(4.2,72.3) v2(4.2,28.6) v2(4.2,27) v2(4.4,65.8) v2(4.5,59.8) v2(5.1,72.8) v2(5.3,39) v2(5.3,37.5) v2(6.3,13.5) v2(6.4,37.8) v2(7.4,72.8) v2(7.8,19.8) v2(7.75,18.95) v2(7.75,18.15) v2(8.55,18.95) v2(8.55,18.15) v2(8.8,27.4) v2(9.4,20.6) v2(9.4,18.95) v2(9.4,18.15) v2(9.6,31.8) v2(9.7,72.8) v2(10.2,20.6) v2(10.2,19.8) v2(10.2,18.95) v2(10.2,18.15) v2(10.4,63.6) v2(10.7,29.8) v2(11,65.7) v2(11,27.3) v2(11,20.6) v2(11,19.8) v2(11,18.95) v2(11,18.15) v2(11.4,31.1) v2(12,72.8) v2(12.4,26.3) v2(12.6,68.5) v2(12.6,29.9) v2(12.9,72.3) v2(13.2,69.7) v2(14.1,6.4) v2(14.7,3.6) v2(14.7,2.7) v2(14.8,6.35) v2(15.3,72.8) v2(15.7,71.2) v2(16.1,72.8) v2(16.1,1.7) v2(16.3,4.9) v2(16.8,5.5) v2(17.3,21.8) v2(17.8,13) v2(17.8,10.3) v2(18.6,72.8) v2(19,17.9) v2(19.2,72.8) v2(20.6,17.9) v2(20.9,64.9) v2(22.1,72.8) v2(22.1,64.9) v2(22.1,63.7) v2(22.1,17.9) v2(23,65.7) v2(24.6,42) v2(24.6,41) v2(24.9,68) v2(25.6,43) v2(25.8,72.8) v2(25.9,64.2) v2(26.5,51.9) v2(26.6,43) v2(26.6,39) v2(27.1,51.8) v2(27.4,65.5) v2(27.4,64.2) v2(27.7,72.8) v2(27.7,40) v2(27.7,39) v2(28.6,42) v2(28.6,41) v2(28.6,39) v2(29,26.5) v2(29.5,26) v2(29.6,72.8) v2(30,26.5) v2(30,25.5) v2(31.6,72.8) v2(32.2,31.83) v2(33.4,72.8) v2(33.8,18) v2(34.2,17.4) v2(34.2,11.1) v2(34.2,9.2) v2(34.4,13.8) v2(34.5,31.9) v2(35.3,72.8) v2(35.5,6) v2(35.5,5) v2(36.9,4.6) v2(36.9,2.7) v2(37.1,72.8) v2(37.4,5.6) v2(37.9,33.4) v2(37.9,30.1) v2(37.9,29.5) v2(38.2,3.4) v2(38.2,1.8) v2(38.4,72.8) v2(38.8,5.6) v2(38.8,4.2) v2(40.8,6.5) v2(41.6,6.5) v2(41.9,5.2) v2(47.5,5.3) v2(49.7,24.63) v2(49.8,5.1) v2(49.8,3.6) v2(49.8,2.3) v2(50.4,6.1) v2(50.83,2.3) v2(51.2,6.1) v2(51.3,9.9) v2(51.3,9.2) v2(51.3,5.1) v2(51.5,7.6) v2(52.1,3.6) v2(52.8,2.3) v2(54.9,3.6) v2(55.1,6.9) v2(55.1,6.1) v2(55.3,2.3) v2(55.45,9.1) v2(56.8,12.23) v2(58,12.23) v2(59.4,12.23) v2(59.67,27.1) v2(61,12.23) v2(62.5,12.23) v2(64.3,2.3) v2(65.2,9.4) v2(65.2,8.3) v2(65.2,6.1) v2(65.3,64.3) v2(65.3,63.4) v2(65.3,60.3) v2(66.4,4.2) v2(66.4,2.3) v2(68.1,9.5) v2(68.6,7.5) v2(68.8,4.2) v2(68.8,2.3) v2(69.5,6.5) v2(71,10.2) v2(71.9,2.3) v2(72.2,5.8) v2(72.5,4.1) v2(72.85,11.5) v2(72.9,72.3) v2(73.8,60) v2(73.9,7.9) v2(73.9,6.8) v2(74,9.2) v2(74.2,5.6) v2(74.2,4.1) v2(74.2,2.5) v2(74.5,61.9) v2(74.5,61.2) v2(75.2,61.2) v2(75.4,9.7) v2(75.9,61.9) v2(75.9,61.2) v2(75.9,60) v2(76,2.3) v2(76.2,11) v2(76.2,5.6) v2(76.4,58.7) v2(76.4,57.3) v2(76.4,56.1) v2(76.8,34.7) v2(77.2,12.7) v2(77.4,16.1) v2(77.5,72.8) v2(77.7,60.8) v2(77.7,56.1) v2(78.2,54.6) v2(78.2,52.8) v2(78.2,51) v2(78.2,16.1) v2(78.5,72.3) v2(78.5,69.5) v2(78.6,57.8) v2(79.4,47.2) v2(79.5,72.8) v2(79.5,58.4) v2(79.5,57.7) v2(79.5,12.8) v2(79.6,60.8) v2(79.6,59.1) v2(79.6,34.7) v2(79.7,59.8) v2(80.2,60.3) v2(80.2,54.6) v2(80.2,52.8) v2(80.2,51) v2(80.2,49.2) v2(80.3,34.7) v2(80.6,14) v2(80.7,60.9) v2(80.8,45.3) v2(81.3,72.8) v2(81.3,61.4) v2(81.3,58.4) v2(81.3,57.7) v2(81.4,59.1) v2(81.8,72.3) v2(81.8,69.5) v2(81.8,67.4) v2(81.9,61.9) v2(81.9,59.6) v2(82.1,12.8) v2(82.2,54.6) v2(82.2,52.8) v2(82.2,51) v2(82.2,49.2) v2(82.2,47.3) v2(82.4,62.4) v2(82.5,60.2) v2(82.9,62.9) v2(83.1,72.8) v2(83.1,60.8) v2(83.1,60.1) v2(83.1,58.4) v2(83.5,14) v2(83.6,68.5) v2(83.6,67.3) v2(83.6,66.6) v2(83.6,65.9) v2(83.6,65.2) v2(83.7,61.4) v2(83.8,72.3) v2(83.8,71.1) v2(83.8,70.4) v2(83.8,69.7) v2(84.1,64.3) v2(84.1,54.6) v2(84.1,52.8) v2(84.1,51) v2(84.1,49.2) v2(84.1,47.3) v2(84.1,45.4) v2(84.3,67.3) v2(84.3,66.6) v2(84.3,65.9) v2(84.3,62) v2(84.5,72.3) v2(84.5,70.4) v2(84.8,62.5) v2(84.8,12.8) v2(84.9,60.1) v2(84.9,58.4) v2(85.3,72.8) v2(85.4,63) v2(85.5,68.5) v2(85.5,66.6) v2(85.7,65.8) v2(85.8,61.8) v2(85.8,59.8) v2(85.8,57.9) v2(85.9,63.6) v2(86.1,67.6) v2(86.1,54.6) v2(86.1,52.8) v2(86.1,51) v2(86.1,49.2) v2(86.1,47.3) v2(86.1,45.4) v2(86.1,43.6) v2(86.4,66.5) v2(86.5,64.2) v2(86.7,62.3) v2(86.9,72.3) v2(86.9,70.4) v2(87,67.1) v2(87.1,64.8) v2(87.3,14.8) v2(87.6,72.3) v2(87.6,71.1) v2(87.6,70.4) v2(87.6,69.7) v2(87.6,68.5) v2(87.6,63.4) v2(87.6,62.3) v2(87.6,60.5) v2(87.6,59.8) v2(87.6,58.8) v2(87.6,57.9) v2(87.7,67.8) v2(87.7,65.4) v2(87.7,12.8) v2(88,54.6) v2(88,52.8) v2(88,51) v2(88,49.2) v2(88,47.3) v2(88,43.6) v2(88.3,72.8) v2(88.3,69.2) v2(88.3,65.9) v2(88.5,59.3) v2(88.6,41.2) v2(88.8,66.4) v2(88.9,63.8) v2(89,58.2) v2(89,57) v2(89.3,72.3) v2(89.3,70.4) v2(89.3,62.6) v2(89.3,60.2) v2(89.4,69.2) v2(89.4,66.6) v2(89.6,42.2) v2(89.7,64.6) v2(89.9,30.9) v2(89.9,14.8) v2(90.1,72.8) v2(90.5,35) v2(90.7,12.8) v2(90.9,72.3) v2(91.2,40) v2(91.2,38.1) v2(91.5,64.6) v2(92.4,72.8) v2(92.4,58.2) v2(92.4,56.2) v2(92.4,54.1) v2(92.4,50.7) v2(92.4,44.9) v2(92.4,43) v2(92.4,40.9) v2(92.4,39.2) v2(92.4,37.1) v2(92.4,35) v2(92.4,33) v2(92.4,30.9) v2(92.4,28.5) v2(92.4,26.3) v2(92.4,16.1) v2(92.4,14.8) v2(92.4,13.2)
